# Altium PCB RK_NVR_DEMO1_RK3588_LP4XD200P232SD8_V21_20211228_final_lint.PcbDoc (part 15 of 29)
Units mm, origin at the board's own origin, x right, y up, seen from the top; angles counter-clockwise.
Board outline 170.08 x 169.98 mm, 8 copper layers (TOP, L2-GND1, L3-POWER1, L4-S1, L5-GND2, L6-S2, L7-GND3, BOTTOM), stack 2.118 mm thick; 1650 components, 1119 nets, 6165 pads, 15417 vias.
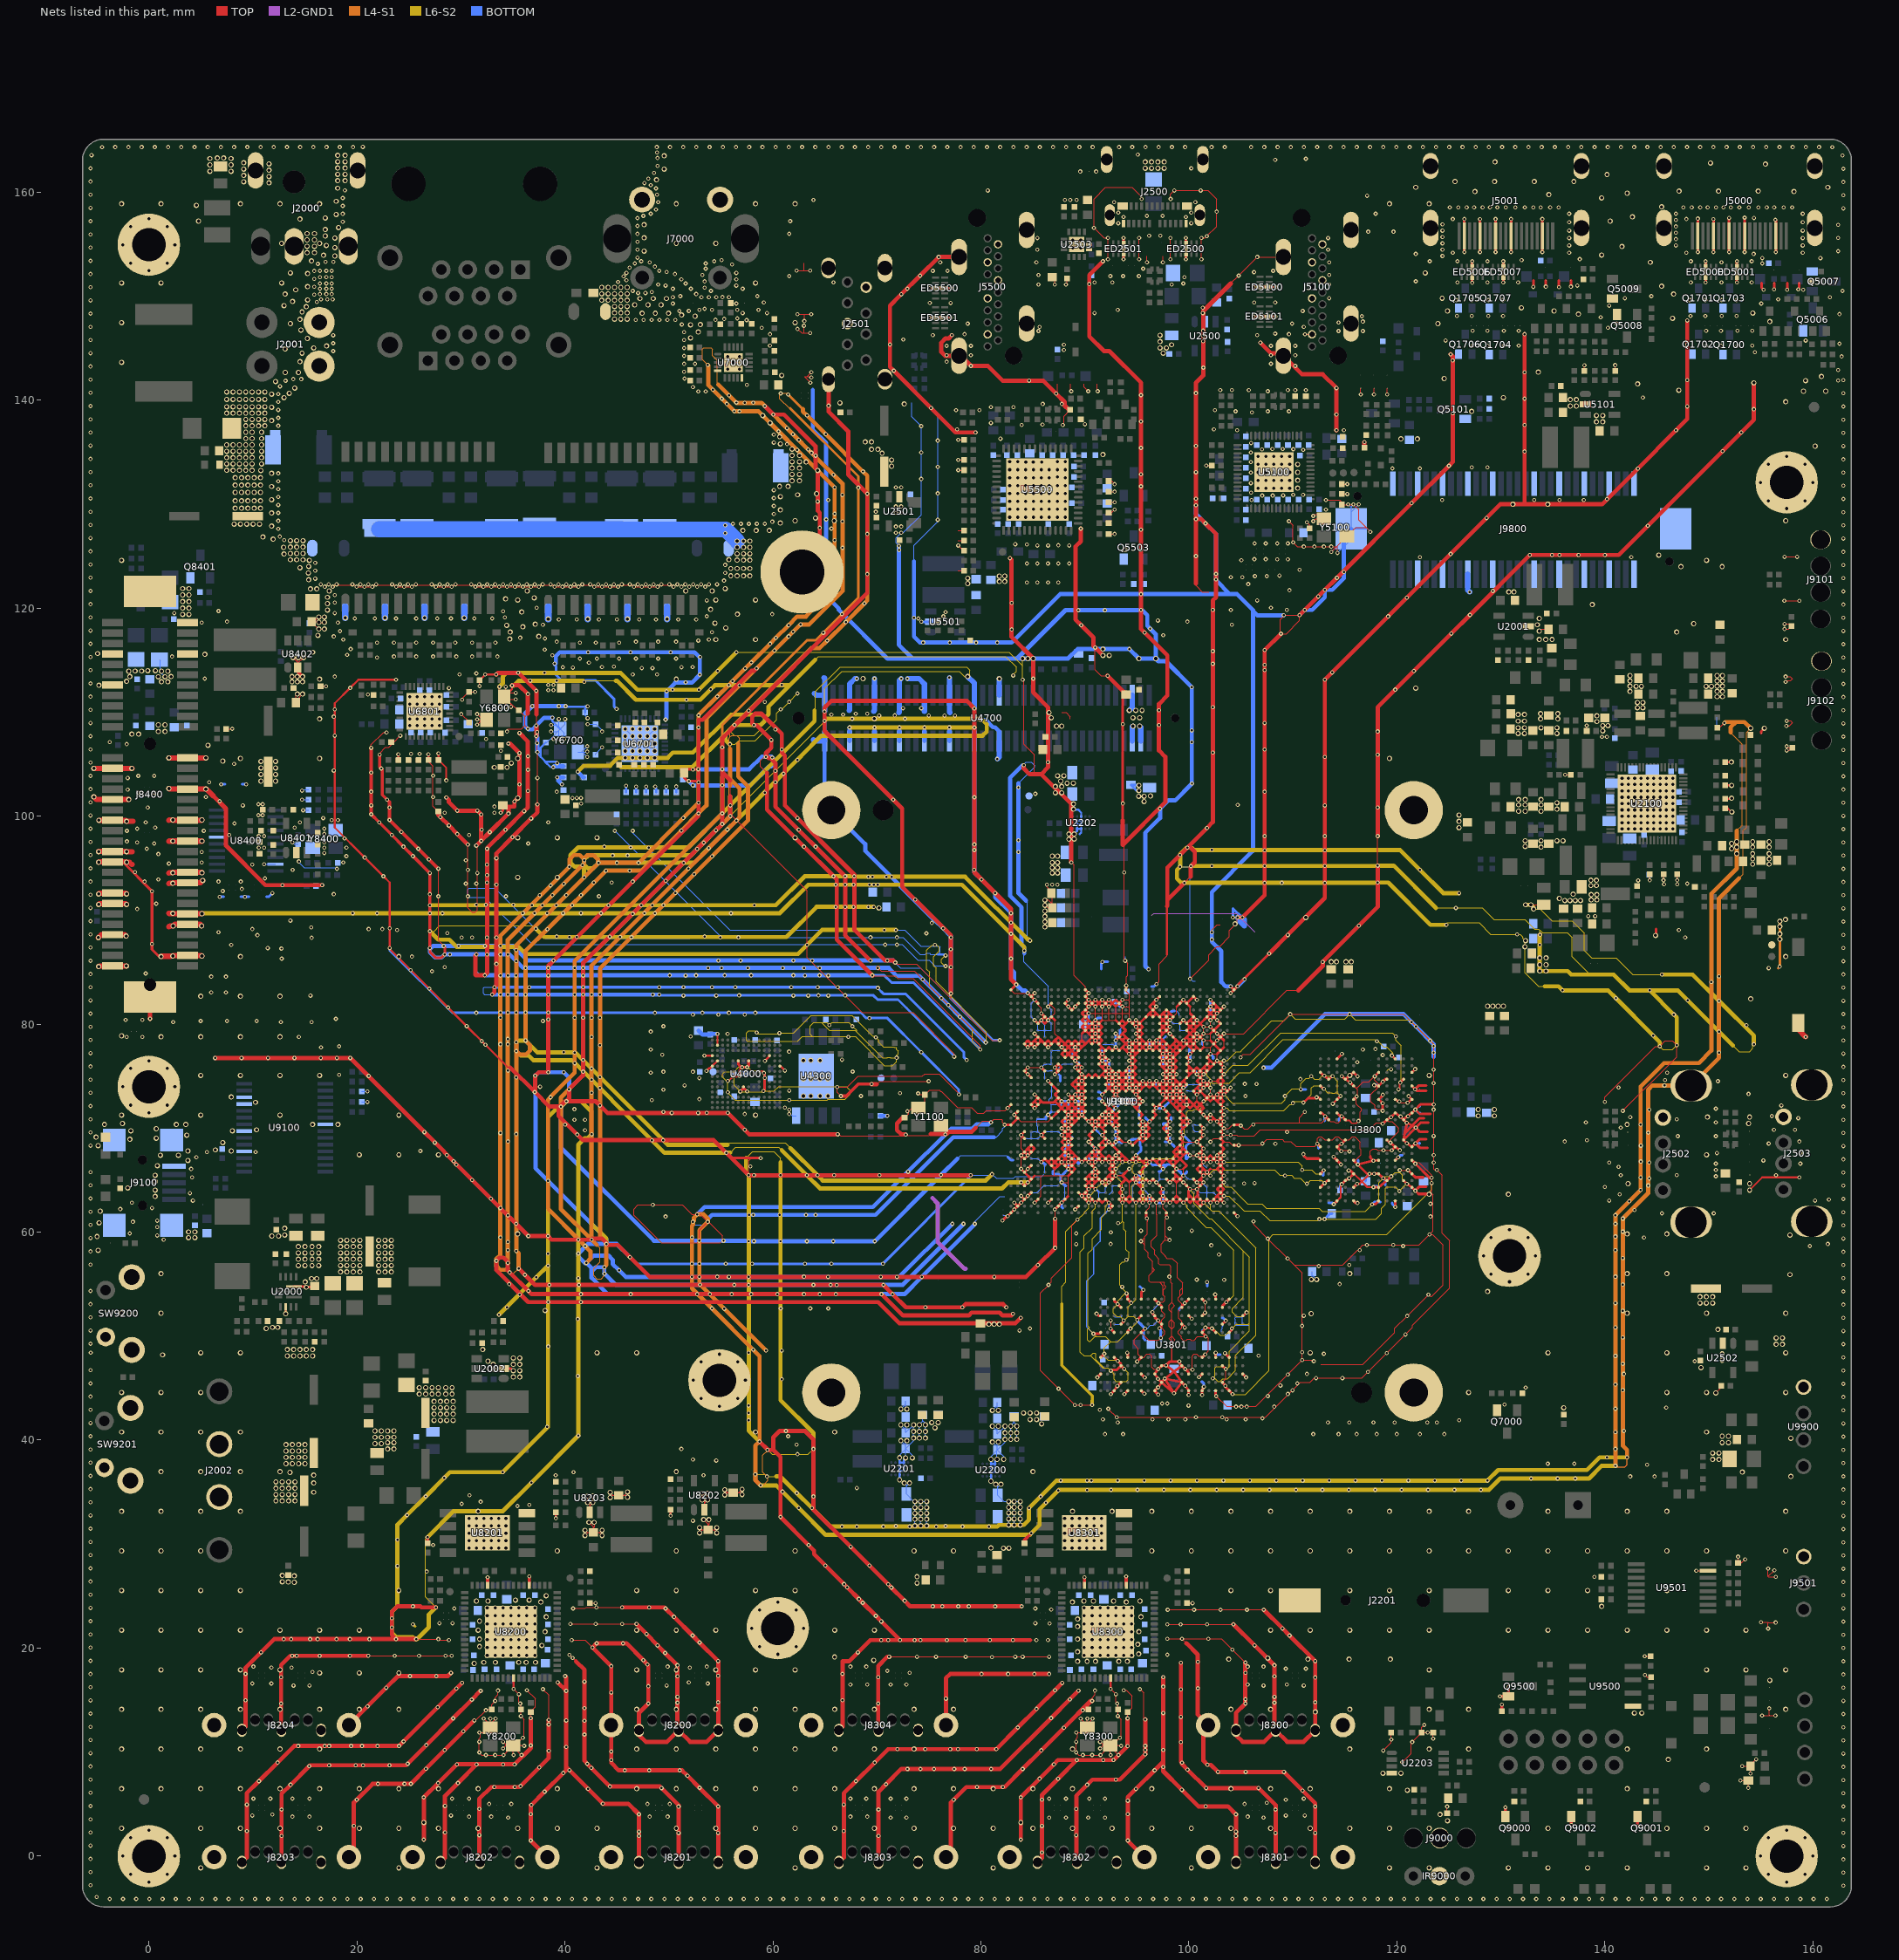
[diagram p21: the nets of this part, all layers, seen from the top]

## Via types
v1: diameter 0.4, hole 0.2, TOP to BOTTOM, 1688 vias
v2: diameter 0.4/0.4 (per signal layer), hole 0.2, TOP to L2-GND1, 1605 vias
v3: diameter 0/0/0/0/0/0/0/0.4 (per signal layer), hole 0.2, TOP to BOTTOM, 1253 vias
v4: diameter 0.4/0/0/0/0/0/0/0 (per signal layer), hole 0.2, TOP to BOTTOM, 1253 vias
v5: diameter 0.5, hole 0.3, TOP to BOTTOM, 857 vias
v6: diameter 0.4/0.4/0.4/0.4/0.4 (per signal layer), hole 0.2, L4-S1 to BOTTOM, 836 vias
v7: diameter 0/0/0/0/0/0/0/0.5 (per signal layer), hole 0.3, TOP to BOTTOM, 772 vias
v8: diameter 0.5/0/0/0/0/0/0/0 (per signal layer), hole 0.3, TOP to BOTTOM, 772 vias
v9: diameter 0.5/0.5 (per signal layer), hole 0.3, TOP to L2-GND1, 766 vias
v10: diameter 0.4/0.4 (per signal layer), hole 0.2, L7-GND3 to BOTTOM, 611 vias
v11: diameter 0.4/0.4/0.4/0.4 (per signal layer), hole 0.2, L5-GND2 to BOTTOM, 579 vias
v12: diameter 0.4 (per signal layer), hole 0.2, L6-S2 to L6-S2, 535 vias
v13: diameter 0.5/0.5/0.5/0.5/0.5 (per signal layer), hole 0.3, L4-S1 to BOTTOM, 457 vias
v14: diameter 0.5/0.5/0.5/0.5 (per signal layer), hole 0.3, L5-GND2 to BOTTOM, 455 vias
v15: diameter 0.4 (per signal layer), hole 0.2, L5-GND2 to L5-GND2, 418 vias
v16: diameter 0.5/0.5/0.5 (per signal layer), hole 0.3, TOP to L3-POWER1, 306 vias
v17: diameter 0.4 (per signal layer), hole 0.2, L4-S1 to L4-S1, 300 vias
v18: diameter 0.4/0.4/0.4 (per signal layer), hole 0.2, TOP to L3-POWER1, 287 vias
v19: diameter 0.5 (per signal layer), hole 0.3, L3-POWER1 to L3-POWER1, 242 vias
v20: diameter 0.5 (per signal layer), hole 0.3, L4-S1 to L4-S1, 240 vias
v21: diameter 0.5/0.5 (per signal layer), hole 0.3, L7-GND3 to BOTTOM, 192 vias
v22: diameter 0.5 (per signal layer), hole 0.3, L6-S2 to L6-S2, 166 vias
v23: diameter 0.4/0.4/0.4/0.4/0.4 (per signal layer), hole 0.2, TOP to L5-GND2, 134 vias
v24: diameter 0.5 (per signal layer), hole 0.3, L5-GND2 to L5-GND2, 114 vias
v25: diameter 0.5/0.5 (per signal layer), hole 0.3, L3-POWER1 to L4-S1, 111 vias
v26: diameter 0.4 (per signal layer), hole 0.2, L3-POWER1 to L3-POWER1, 93 vias
v27: diameter 0.4/0.4 (per signal layer), hole 0.2, L4-S1 to L5-GND2, 59 vias
v28: diameter 0.4/0.4/0/0/0.4/0/0.4/0.4 (per signal layer), hole 0.2, TOP to BOTTOM, 56 vias
v29: diameter 0.4/0/0/0.4/0/0/0/0.4 (per signal layer), hole 0.2, TOP to BOTTOM, 51 vias
v30: diameter 0.5/0.5 (per signal layer), hole 0.3, L4-S1 to L5-GND2, 46 vias
v31: diameter 0.4/0/0/0/0/0.4/0/0.4 (per signal layer), hole 0.2, TOP to BOTTOM, 42 vias
v32: diameter 0.5/0.5/0.5/0.5/0.5 (per signal layer), hole 0.3, TOP to L5-GND2, 32 vias
v33: diameter 0.4/0.4 (per signal layer), hole 0.2, L3-POWER1 to L4-S1, 29 vias
v34: diameter 0.4/0/0.4/0/0/0/0/0.4 (per signal layer), hole 0.2, TOP to BOTTOM, 29 vias
v35: diameter 0.4/0.4/0/0/0.4/0.4/0.4/0.4 (per signal layer), hole 0.2, TOP to BOTTOM, 21 vias
v36: diameter 0.5/0.5/0.5/0/0.5/0.5/0.5/0.5 (per signal layer), hole 0.3, TOP to BOTTOM, 4 vias
v37: diameter 0.5/0.5/0/0.5/0.5/0.5/0.5/0.5 (per signal layer), hole 0.3, TOP to BOTTOM, 3 vias
v38: diameter 0.4/0/0.4/0.4/0/0/0/0.4 (per signal layer), hole 0.2, TOP to BOTTOM, 2 vias
v39: diameter 0.4/0.4/0.4/0/0.4/0/0.4/0.4 (per signal layer), hole 0.2, TOP to BOTTOM, 1 vias

## Nets (pads, with @x,y where several pads share a name; then routed paths per layer and width w, separated by ;. In a path a pad name is that pad's centre, name@x,y a point inside that pad or via, vN(x,y) a via of type N, cw(c..) or ccw(c..) an arc to the next point about the centre after c; other vN are vias at no path point) (continued)
GND: (continued)
  other v9: 120.997,6.338 31.654,6.485 39.274,6.485 46.894,6.485 50.704,6.485 54.514,6.485 58.324,6.485 62.134,6.485 65.944,6.485 69.754,6.485 73.564,6.485 77.374,6.485 81.184,6.485 84.994,6.485 88.804,6.485 96.424,6.485 104.044,6.485 107.854,6.485 111.664,6.485 119.284,6.485 118.66,7.963 120.387,7.963 46.894,10.295 50.704,10.295 54.514,10.295 58.324,10.295 62.134,10.295 65.944,10.295 69.754,10.295 73.564,10.295 88.804,10.295 115.474,10.295 123.094,10.295 126.904,10.295 24.034,14.105 123.094,14.105 126.904,14.105 20.224,17.61 24.034,17.61 16.414,21.725 20.224,21.725 130.714,21.725 134.524,21.725 138.334,21.725 142.144,21.725 145.954,21.725 149.764,21.725 139.691,24.016 46.894,25.535 50.704,25.535 58.324,25.535 62.134,25.535 73.855,26.251 73.855,26.861 39.274,29.345 50.704,29.345 62.134,29.345 73.564,29.345 77.374,29.345 149.764,29.345 82.165,29.61 82.694,29.604 34.332,29.629 80.967,29.627 33.621,30.341 34.332,30.341 32.91,31.052 33.621,31.052 34.332,31.052 32.199,31.763 32.91,31.763 33.621,31.763 34.332,31.763 31.487,32.474 32.199,32.474 32.91,32.474 33.621,32.474 34.332,32.474 31.654,33.155 104.044,33.155 107.854,33.155 111.664,33.155 115.474,33.155 119.284,33.155 123.094,33.155 126.904,33.155 134.524,33.155 142.144,33.155 145.954,33.155 12.818,34.151 13.428,34.151 14.038,34.151 12.209,34.76 12.818,34.76 13.428,34.76 14.038,34.76 15.841,34.989 12.209,35.37 12.818,35.37 13.428,35.37 14.038,35.37 15.841,35.878 12.209,35.979 12.818,35.979 13.428,35.979 14.038,35.979 15.841,36.64 13.555,36.894 153.204,36.919 12.604,36.965 50.704,36.965 13.174,37.732 13.784,37.732 14.393,37.732 15.003,37.732 150.359,38.138 150.969,38.138 13.174,38.342 13.784,38.342 14.393,38.342 15.003,38.342 150.359,38.748 150.969,38.748 13.174,38.951 13.784,38.951 14.393,38.951 15.003,38.951 22.953,39.154 23.563,39.154 13.174,39.561 13.784,39.561 14.393,39.561 15.003,39.561 21.734,39.662 22.343,39.662 22.953,39.764 23.563,39.764 151.274,39.764 151.883,39.764 21.734,40.272 22.343,40.272 22.953,40.272 23.563,40.272 151.274,40.374 151.883,40.374 8.794,40.775 58.324,40.775 65.944,40.775 149.764,40.775 21.734,40.882 22.343,40.882 22.953,40.882 23.563,40.882 75.582,41.186 27.423,41.898 28.033,41.898 28.643,41.898 29.252,41.898 27.423,42.507 28.033,42.507 28.643,42.507 29.252,42.507 27.423,43.117 28.033,43.117 28.643,43.117 29.252,43.117 136.034,43.117 27.423,43.726 28.033,43.726 28.643,43.726 29.252,43.726 26.001,44.438 26.611,44.438 27.22,44.438 27.83,44.438 28.541,44.438 29.151,44.438 4.984,44.585 149.764,44.585 26.001,45.047 26.611,45.047 27.22,45.047 27.83,45.047 28.541,45.047 29.151,45.047 35.043,46.063 35.653,46.063 35.653,46.673 33.215,46.774 32.707,46.876 33.113,47.282 35.043,47.282 35.653,47.282 32.605,47.587 35.043,47.892 35.653,47.892 13.301,48.095 13.911,48.095 14.52,48.095 15.13,48.095 15.739,48.095 4.984,48.395 8.794,48.395 43.084,48.395 111.664,48.395 13.301,48.705 13.911,48.705 14.52,48.705 15.13,48.705 15.739,48.705 32.097,48.705 11.269,50.737 11.879,50.838 12.387,50.838 80.763,51.143 81.271,51.143 81.779,51.143 111.751,52.159 38.091,52.464 15.028,55.207 15.638,55.537 16.146,55.537 115.474,56.015 18.432,56.172 19.041,56.172 19.651,56.172 20.286,56.172 22.089,56.172 22.699,56.172 23.309,56.172 14.368,56.782 15.003,56.782 15.689,56.782 16.324,56.782 18.432,56.782 19.041,56.782 19.651,56.782 20.286,56.782 22.089,56.782 22.699,56.782 23.309,56.782 14.368,57.392 15.003,57.392 15.689,57.392 16.324,57.392 18.432,57.392 19.041,57.392 19.651,57.392 20.286,57.392 22.089,57.392 22.699,57.392 23.309,57.392 14.368,58.001 15.003,58.001 15.689,58.001 16.324,58.001 18.432,58.001 19.041,58.001 19.651,58.001 20.286,58.001 22.089,58.001 22.699,58.001 23.309,58.001 14.368,58.611 15.003,58.611 15.689,58.611 16.324,58.611 18.432,58.611 19.041,58.611 19.651,58.611 20.286,58.611 22.089,58.611 22.699,58.611 23.309,58.611 18.432,59.22 19.041,59.22 19.651,59.22 20.286,59.22 22.089,59.22 22.699,59.22 23.309,59.22 4.415,59.474 11.828,59.627 12.463,59.627 13.048,59.728 4.415,60.026 13.048,60.363 20.224,67.445 24.034,67.445 27.844,67.445 7.916,67.806 6.392,67.907 7.103,68.618 8.018,69.736 10.355,69.838 15.739,70.346 18.178,70.346 4.984,71.255 12.604,71.255 24.034,71.255 58.324,71.255 10.253,72.479 7.916,72.987 62.933,73.089 63.644,73.089 64.533,73.089 65.295,73.089 62.933,74.74 63.644,74.74 64.533,74.74 65.295,74.74 4.984,75.065 8.794,75.065 12.604,75.065 16.414,75.065 115.474,75.065 123.094,75.065 62.933,76.518 63.644,76.518 64.533,76.518 4.984,78.774 8.794,78.774 12.604,78.774 8.794,82.685 12.604,82.685 134.343,85.713 113.682,85.992 114.19,85.992 115.104,85.992 115.612,85.992 134.343,86.373 8.794,86.495 24.034,86.495 86.148,89.345 104.436,89.65 157.37,90.056 111.243,90.259 70.197,91.174 136.135,91.885 136.643,91.885 137.151,91.885 137.659,91.885 135.627,92.088 136.948,92.494 35.464,94.115 39.274,94.115 86.859,94.526 87.367,94.526 86.859,95.034 87.367,95.034 154.209,95.379 155.795,95.379 86.859,95.542 87.367,95.542 154.209,95.887 155.795,95.887 86.859,96.152 87.367,96.152 154.209,96.395 155.795,96.395 152.188,96.863 133.861,97.016 154.209,97.03 155.795,97.03 132.337,97.092 152.188,97.371 154.209,97.538 155.795,97.538 132.337,97.625 133.861,97.625 135.385,97.625 135.969,97.625 88.468,97.777 88.976,97.802 35.464,97.925 39.274,97.925 43.084,97.925 62.134,97.925 88.468,98.285 141.647,98.768 142.257,98.768 142.866,98.768 143.476,98.768 144.086,98.768 144.695,98.768 145.305,98.768 145.914,98.768 146.524,98.768 125.975,98.895 141.647,99.378 142.257,99.378 142.866,99.378 143.476,99.378 144.086,99.378 144.695,99.378 145.305,99.378 145.914,99.378 146.524,99.378 141.647,99.987 142.257,99.987 142.866,99.987 143.476,99.987 144.086,99.987 144.695,99.987 145.305,99.987 145.914,99.987 146.524,99.987 132.337,100.47 133.861,100.47 141.647,100.597 142.257,100.597 142.866,100.597 143.476,100.597 144.086,100.597 144.695,100.597 145.305,100.597 145.914,100.597 146.524,100.597 135.385,100.673 131.702,101.08 132.337,101.08 133.861,101.08 141.647,101.207 142.257,101.207 142.866,101.207 143.476,101.207 144.086,101.207 144.695,101.207 145.305,101.207 145.914,101.207 146.524,101.207 135.385,101.283 95.699,101.41 131.702,101.588 132.337,101.588 133.861,101.588 35.464,101.735 141.647,101.816 142.257,101.816 142.866,101.816 143.476,101.816 144.086,101.816 144.695,101.816 145.305,101.816 145.914,101.816 146.524,101.816 95.165,101.918 95.699,101.918 96.308,101.943 87.164,102.248 87.774,102.248 141.647,102.426 142.257,102.426 142.866,102.426 143.476,102.426 144.086,102.426 144.695,102.426 145.305,102.426 145.914,102.426 146.524,102.426 87.164,102.858 87.774,102.858 141.647,103.035 142.257,103.035 142.866,103.035 143.476,103.035 144.086,103.035 144.695,103.035 145.305,103.035 145.914,103.035 146.524,103.035 88.282,103.163 88.892,103.163 87.672,103.366 141.647,103.645 142.257,103.645 142.866,103.645 143.476,103.645 144.086,103.645 144.695,103.645 145.305,103.645 145.914,103.645 146.524,103.645 87.368,103.874 87.977,103.874 33.215,104.687 34.434,104.687 119.284,105.545 45.788,106.261 46.499,106.261 47.921,106.261 48.632,106.261 45.788,106.972 46.499,106.972 47.21,106.972 47.921,106.972 48.632,106.972 45.788,107.684 47.21,107.684 48.632,107.684 131.654,107.947 132.261,107.947 135.385,107.947 139.791,108.203 46.499,108.395 47.21,108.395 47.921,108.395 131.654,108.499 132.261,108.499 133.861,108.499 135.385,108.499 87.266,108.649 87.774,108.649 25.087,108.7 25.798,108.7 26.509,108.7 27.22,108.7 27.931,108.7 139.791,108.711 140.291,108.711 139.22,109.09 131.654,109.134 132.261,109.134 133.822,109.346 135.473,109.346 25.087,109.36 25.798,109.36 26.509,109.36 27.22,109.36 27.931,109.36 69.754,109.381 86.758,109.462 94.632,109.462 95.267,109.462 139.22,109.642 131.654,109.769 132.261,109.769 133.822,109.854 135.473,109.854 86.555,109.97 25.087,110.071 25.798,110.071 26.509,110.071 27.22,110.071 27.931,110.071 94.886,110.173 95.495,110.173 143.135,110.424 143.643,110.424 25.087,110.782 25.798,110.782 26.509,110.782 27.22,110.782 27.931,110.782 143.135,110.932 143.643,110.932 25.087,111.494 25.798,111.494 26.509,111.494 27.22,111.494 27.931,111.494 150.793,111.482 151.301,111.482 142.411,111.99 150.793,111.99 151.301,111.99 121.81,112.306 143.008,112.482 143.516,112.482 142.411,112.498 150.793,112.498 151.301,112.498 142.411,113.006 150.793,113.006 151.301,113.006 50.704,113.165 68.673,113.221 142.411,113.514 150.793,113.514 151.301,113.514 92.346,115.456 54.514,116.975 58.324,116.975 133.697,116.98 134.307,116.98 134.916,116.98 146.905,117.691 55.465,118.098 133.494,118.402 148.531,118.504 54.424,118.555 133.697,119.012 56.583,119.418 54.017,119.876 138.777,120.333 54.514,120.785 58.324,120.785 130.751,121.552 131.259,121.552 55.412,121.867 56.557,123.101 57.167,123.101 57.776,123.101 57.167,123.813 57.776,123.813 147.312,123.991 145.178,125.108 62.134,128.405 65.894,128.405 64.101,128.664 71.416,133.643 71.416,134.252 91.736,134.76 70.502,134.887 69.486,135.268 70.095,135.268 68.876,135.979 69.486,135.979 139.793,137.91 139.793,138.519 127.195,138.926 136.664,139.434 137.253,139.434 72.635,139.637 136.664,140.043 137.253,140.043 130.243,140.246 147.108,140.958 143.146,141.567 124.553,142.075 133.596,142.685 97.527,144.514 123.944,147.359 155.846,147.562 137.456,148.273 135.12,148.578
  other v10: 89.806,14.034 85.341,14.155 130.1,14.56 35.704,14.669 70.121,14.669 93.108,14.669 105.427,14.669 108.221,14.749 54.741,14.796 112.145,14.796 33.291,14.923 90.695,14.923 66.692,14.982 31.048,15.042 88.55,15.071 105.427,15.09 76.635,15.135 108.221,15.304 129.906,15.363 35.577,15.558 92.981,15.558 31.894,15.888 40.123,15.888 33.567,15.917 89.383,15.904 90.971,15.917 36.339,15.939 93.743,15.939 87.131,15.957 99.229,16.04 35.069,16.066 37.884,16.055 92.473,16.066 95.288,16.055 29.571,16.113 100.855,16.135 130.722,16.244 97.527,16.294 107.179,16.396 111.04,16.396 67.454,16.498 69.079,16.498 71.315,16.498 72.839,16.498 105.655,16.498 109.415,16.498 53.738,16.599 30.112,16.654 87.825,16.65 39.311,16.701 51.909,16.701 112.145,17.175 70.121,17.209 97.527,17.209 50.817,17.289 108.221,17.289 40.022,17.31 54.741,17.336 143.857,17.412 66.692,17.522 80.066,17.514 82.606,17.514 85.146,17.514 86.555,17.514 29.049,17.615 73.143,17.615 105.427,17.63 71.01,17.819 109.313,18.022 111.243,18.022 52.011,18.123 53.636,18.225 67.454,18.225 68.978,18.225 105.655,18.225 107.179,18.225 50.817,18.352 108.221,18.352 99.229,18.58 105.427,18.606 100.855,18.675 54.741,18.745 112.145,18.745 40.747,19.043 143.832,19.212 28.516,19.266 29.1,19.266 40.428,19.342 52.945,20.541 28.846,20.765 40.657,20.765 52.277,21.209 155.693,21.882 40.53,22.314 29.202,22.39 29.354,23.813 40.784,23.813 25.391,24.016 66.841,26.153 71.082,26.141 32.565,26.81 36.565,26.889 69.286,27.937 65.045,27.949 67.49,29.733 63.43,29.91 39.14,32.482 30.822,34.703 62.272,39.561 61.459,40.374 61.256,40.882 89.044,43.371 89.583,43.371 97.045,44.387 98.569,44.514 101.439,45.123 103.512,45.215 97.68,45.911 100.347,46.774 97.807,47.181 141.723,47.341 99.077,47.562 141.012,48.095 106.697,48.121 59.338,48.616 58.103,48.701 97.299,49.822 141.723,49.881 97.172,50.762 101.591,50.813 141.012,50.838 92.473,51.499 96.486,52.312 141.723,52.421 141.012,53.175 57.903,54.039 60.443,54.039 141.723,54.961 101.744,55.207 103.395,55.41 100.753,55.436 98.112,55.715 141.012,55.715 58.005,56.96 102.887,57.849 102.15,58.738 89.171,58.839 92.473,58.865 58.183,59.119 95.394,59.119 98.133,59.242 89.171,59.881 92.494,59.979 95.394,60.135 100.271,60.135 98.133,60.334 106.214,61.024 95.949,61.329 97.879,61.401 104.666,61.531 58.107,61.659 89.066,62.181 92.316,62.181 119.841,62.421 116.222,62.802 96.215,62.831 96.865,62.831 97.515,62.831 98.165,62.831 102.716,62.831 103.366,62.831 89.716,63.481 96.216,63.48 97.515,63.48 90.366,64.131 117.746,64.326 116.168,64.634 105.3,64.681 106.316,64.707 96.215,64.781 96.865,64.781 115.404,65.169 158.691,65.266 91.016,65.431 103.366,65.431 58.183,65.469 156.456,65.469 117.365,65.596 117.822,65.606 115.358,65.926 120.266,65.955 121.067,65.955 88.416,66.081 91.016,66.081 97.516,66.081 98.816,66.081 57.84,66.307 116.242,66.505 158.792,66.586 87.766,66.731 88.415,66.73 89.716,66.731 90.366,66.731 91.016,66.731 91.666,66.731 92.316,66.731 92.966,66.731 58.818,67.12 120.128,67.194 113.909,67.238 88.415,67.381 92.966,67.381 94.916,67.381 100.115,67.381 100.766,67.381 101.416,67.381 158.792,67.602 115.439,67.757 114.647,67.78 118.703,67.869 119.503,67.869 120.286,67.882 91.016,68.031 101.416,68.031 104.788,68.356 108.319,68.488 112.356,68.491 107.078,68.517 155.744,68.517 88.416,68.681 90.366,68.681 92.316,68.681 92.966,68.681 94.266,68.681 98.166,68.682 100.766,68.681 102.066,68.681 158.691,68.72 83.866,69.331 87.766,69.331 91.666,69.331 92.966,69.331 95.565,69.331 98.166,69.33 101.416,69.331 103.366,69.331 104.016,69.331 109.438,69.633 156.252,69.838 158.284,69.838 87.766,69.981 88.416,69.981 91.016,69.981 92.966,69.981 95.565,69.981 98.165,69.981 101.416,69.981 103.366,69.981 121.81,70.041 104.991,70.24 40.022,70.346 106.189,70.346 120.941,70.508 88.416,70.631 90.366,70.631 91.016,70.631 92.316,70.631 95.565,70.631 96.216,70.631 98.165,70.631 102.066,70.631 102.716,70.631 103.366,70.631 116.312,70.69 40.911,70.803 158.589,70.955 120.355,71.111 156.049,71.158 71.01,71.184 88.416,71.281 89.716,71.281 91.664,71.281 92.314,71.283 103.366,71.281 111.142,71.565 118.635,71.666 150.664,71.87 92.966,71.931 96.866,71.93 97.516,71.93 156.964,72.174 99.784,72.247 113.834,72.339 118.631,72.39 121.022,72.428 87.766,72.581 88.415,72.581 89.07,72.585 89.714,72.581 91.666,72.581 92.316,72.581 93.622,72.578 95.562,72.581 112.285,72.962 116.134,73.05 105.427,73.089 118.641,73.207 85.166,73.231 88.416,73.231 89.066,73.231 89.716,73.231 91.666,73.231 92.966,73.231 94.916,73.231 97.516,73.231 98.165,73.231 98.815,73.231 99.465,73.231 100.765,73.231 153.814,73.292 73.956,73.343 72.229,73.368 120.159,73.724 121.753,73.744 92.966,73.881 94.265,73.881 94.915,73.881 98.815,73.881 99.465,73.881 101.416,73.881 141.317,73.902 145.723,74.105 117.822,74.13 106.506,74.244 105.372,74.253 115.499,74.398 74.972,74.511 89.716,74.531 92.316,74.531 92.966,74.531 94.265,74.531 95.565,74.531 96.215,74.531 96.865,74.531 97.515,74.531 98.165,74.531 101.416,74.531 110.71,74.714 116.216,74.981 117.865,74.981 114.698,74.994 84.516,75.181 89.716,75.181 92.316,75.181 92.966,75.181 94.265,75.181 97.515,75.181 98.165,75.181 98.815,75.181 100.765,75.181 101.419,75.184 145.991,75.324 121.762,75.677 107.179,75.807 89.066,75.83 89.716,75.831 92.316,75.831 94.266,75.831 98.167,75.831 103.366,75.831 116.196,76.34 89.066,76.481 91.666,76.481 92.316,76.481 94.266,76.48 97.515,76.481 98.167,76.481 100.115,76.481 78.63,76.543 104.966,76.794 118.635,77.026 91.666,77.131 94.251,77.128 97.515,77.131 98.165,77.131 100.115,77.131 102.066,77.131 114.717,77.133 116.73,77.559 117.924,77.61 84.515,77.781 85.165,77.781 86.466,77.781 87.766,77.781 89.066,77.781 92.966,77.781 94.254,77.793 96.215,77.781 91.015,78.431 92.966,78.431 94.266,78.431 94.915,78.431 96.215,78.431 96.865,78.431 99.466,78.43 100.765,78.431 101.416,78.431 102.716,78.431 159.3,78.778 85.166,79.081 91.015,79.081 92.966,79.081 94.915,79.081 98.166,79.08 100.766,79.081 101.417,79.081 102.716,79.08 103.366,79.08 94.915,79.731 101.415,79.731 102.066,79.73 91.015,79.731 98.165,79.731 85.166,80.381 85.816,80.381 86.466,80.381 91.016,80.381 94.266,80.381 94.915,80.381 98.165,80.381 99.465,80.381 100.765,80.381 102.066,80.381 102.716,80.381 85.816,81.031 90.366,81.031 102.716,81.031 86.466,81.681 89.066,81.681 90.366,81.681 91.016,81.681 91.666,81.681 92.316,81.681 93.616,81.681 96.866,81.681 102.066,81.681 103.366,81.681 91.016,82.331 92.316,82.331 93.616,82.331 96.866,82.331 99.466,82.331 100.765,82.331 102.066,82.331 90.366,82.981 104.016,82.981 104.016,83.631 104.666,83.631 93.971,83.706 96.872,83.852 105.357,84.322 100.115,84.36 96.118,85.268 156.811,85.535 112.869,85.992 93.87,86.094 107.719,86.774 102.201,88.137 31.081,88.329 32.503,88.329 33.418,88.329 109.515,88.57 102.201,88.837 116.341,89.464 104.233,90.259 104.69,90.259 105.147,90.259 17.771,92.494 12.832,93.363 16.664,93.363 22.545,94.224 13.818,94.831 101.731,98.857 71.567,101.589 79.37,101.816 157.471,106.312 157.471,106.718 157.449,108.671 97.121,108.751 93.641,108.838 151.477,108.954 157.471,109.157 97.121,110.173 157.37,112.916 157.37,113.424 92.175,113.504 47.388,114.237 48.423,114.237 40.768,114.277 39.795,114.315 51.207,114.322 43.564,114.338 52.283,114.338 44.703,114.37 39.006,114.669 42.308,114.745 41.444,115.151 43.07,115.151 45.203,115.151 46.829,115.151 48.963,115.151 50.69,115.151 21.937,115.253 53.001,115.304 23.563,115.355 25.696,115.355 27.322,115.355 29.557,115.355 31.081,115.355 33.519,115.354 38.803,115.456 19.067,115.507 42.232,115.761 46.296,115.761 50.156,115.761 38.066,116.015 19.397,116.066 94.276,116.066 90.987,116.205 59.717,116.572 21.937,116.675 23.563,116.675 25.696,116.675 27.322,116.675 29.455,116.675 31.081,116.675 33.316,116.675 41.444,116.675 42.968,116.675 45.203,116.675 74.454,116.692 76.994,116.692 79.534,116.692 81.576,116.692 39.209,116.777 46.829,116.777 48.963,116.777 50.69,116.777 52.823,116.879 65.211,116.871 18.686,116.98 53.839,116.98 60.284,117.139 61.51,117.285 97.527,117.386 64.85,117.632 95.743,117.647 54.144,117.691 61.95,117.728 82.948,117.956 96.272,118.032 89.644,118.361 61.513,118.368 62.65,118.428 67.007,118.667 74.277,118.691 73.982,119.012 73.566,119.071 76.395,119.215 59.935,119.418 66.646,119.429 76.598,119.622 95.394,127.546 101.593,128.155 77.817,133.267 77.817,134.252 110.989,135.217 107.035,135.268 108.022,135.297 109.024,135.299 110.037,135.283 95.394,135.403 105.988,135.878 116.875,135.979 77.817,136.182 81.881,136.297 79.486,136.894 104.639,137.097 114.19,137.097 114.901,137.097 77.715,137.199 102.404,137.199 83.913,137.605 87.875,137.605 85.92,137.656 90.009,137.681 80.967,137.808 95.394,137.943 114.19,138.62 106.062,138.824 104.487,138.926 107.586,138.926 109.618,138.926 79.849,139.027 102.506,139.027 80.967,139.332 83.126,139.332 85.945,139.637 87.774,139.637 132.275,142.685 97.251,155.817